# Allegro board com_v1_p3.brd (continued)
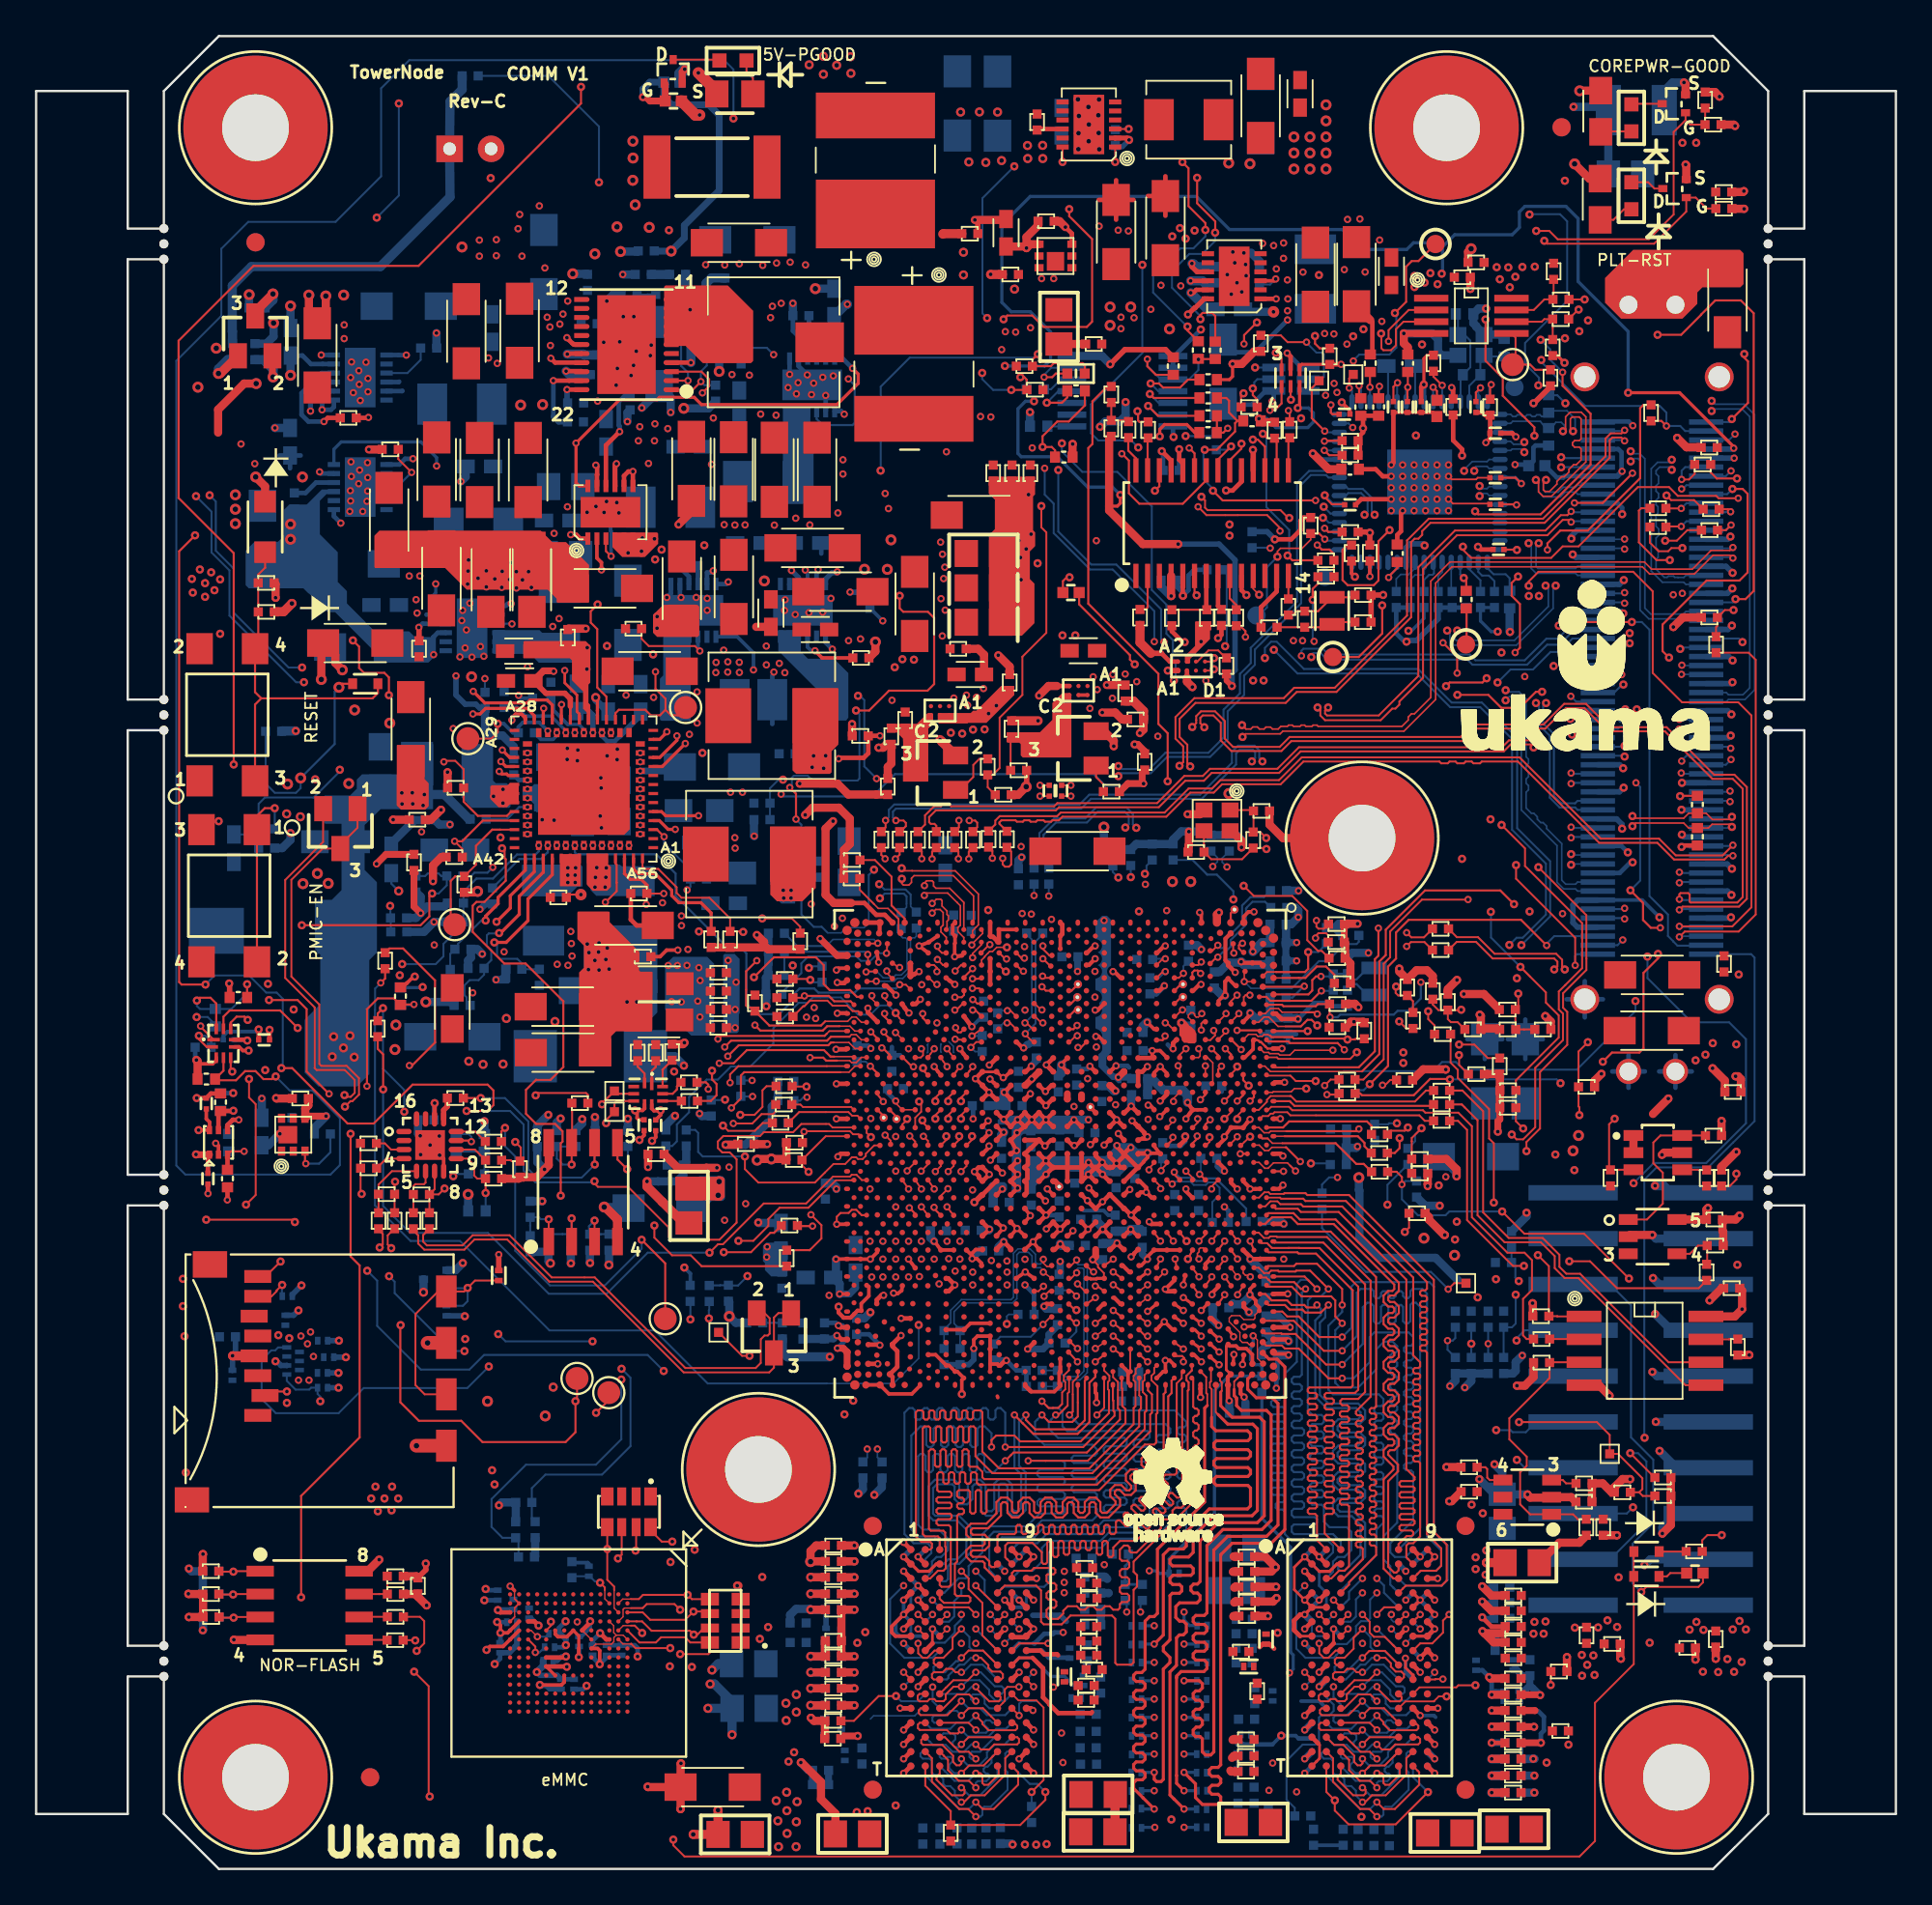
[diagram p0: board, top side]
## Footprints (pads in the part's own frame, mm; a bottom-side part is the same pattern mirrored in y, then rotated) (continued)
  round 0.305 smd: AB4(11.137,-1.448) AB6(10.463,-1.448) AB7(9.752,-1.448) AB9(9.041,-1.448) AB10(8.33,-1.448) AB12(7.619,-1.448) AB13(6.907,-1.448) AB14(6.196,-1.448) AB40(-6.196,-1.448) AB41(-6.907,-1.448) AB42(-7.619,-1.448) AB44(-8.33,-1.448) AB45(-9.041,-1.448) AB47(-9.752,-1.448) AB48(-10.463,-1.448) AB50(-11.137,-1.448) AD4(10.995,-0.463) AD6(10.404,-0.525) AD7(9.752,-0.475) AD9(9.041,-0.475) AD10(8.33,-0.475) AD12(7.619,-0.475) AD13(6.907,-0.475) AD14(6.196,-0.475) AD40(-6.196,-0.475) AD41(-6.907,-0.475) AD42(-7.619,-0.475) AD44(-8.33,-0.475) AD45(-9.041,-0.475) AD47(-9.752,-0.475) AD48(-10.404,-0.525) AD50(-10.995,-0.463) AE6(10.108,0) AE8(9.397,0) AE9(8.685,0) AE11(7.974,0) AE12(7.263,0) AE14(6.552,0) AE40(-6.552,0) AE42(-7.263,0) AE43(-7.974,0) AE45(-8.685,0) AE46(-9.397,0) AE48(-10.108,0) AF4(10.995,0.463) AF6(10.404,0.525) AF7(9.752,0.475) AF9(9.041,0.475) AF10(8.33,0.475) AF12(7.619,0.475) AF13(6.907,0.475) AF14(6.196,0.475) AF40(-6.196,0.475) AF41(-6.907,0.475) AF42(-7.619,0.475) AF44(-8.33,0.475) AF45(-9.041,0.475) AF47(-9.752,0.475) AF48(-10.404,0.525) AF50(-10.995,0.463) AH4(11.137,1.448) AH6(10.463,1.448) AH7(9.752,1.448) AH9(9.041,1.448) AH10(8.33,1.448) AH12(7.619,1.448) AH13(6.907,1.448) AH14(6.196,1.448) AH40(-6.196,1.448) AH41(-6.907,1.448) AH42(-7.619,1.448) AH44(-8.33,1.448) AH45(-9.041,1.448) AH47(-9.752,1.448) AH48(-10.463,1.448) AH50(-11.137,1.448) AK4(11.137,2.439) AK6(10.463,2.439) AK7(9.752,2.439) AK9(9.041,2.439) AK10(8.33,2.439) AK12(7.619,2.439) AK13(6.907,2.439) AK14(6.196,2.439) AK40(-6.196,2.439) AK41(-6.907,2.439) AK42(-7.619,2.439) AK44(-8.33,2.439) AK45(-9.041,2.439) AK47(-9.752,2.439) AK48(-10.463,2.439) AK50(-11.137,2.439) AM4(11.137,3.386) AM6(10.463,3.412) AM7(9.752,3.412) AM9(9.041,3.412) AM10(8.33,3.412) AM12(7.619,3.412) AM13(6.907,3.412) AM14(6.196,3.412) AM40(-6.196,3.412) AM41(-6.907,3.412) AM42(-7.619,3.412) AM44(-8.33,3.412) AM45(-9.041,3.412) AM47(-9.752,3.412) AM48(-10.463,3.412) AM50(-11.137,3.386) AN5(10.819,3.887) AN6(10.108,3.887) AN8(9.397,3.887) AN9(8.685,3.887) AN11(7.974,3.887) AN12(7.263,3.887) AN14(6.552,3.887) AN40(-6.552,3.887) AN42(-7.263,3.887) AN43(-7.974,3.887) AN45(-8.685,3.887) AN46(-9.397,3.887) AN48(-10.108,3.887) AN49(-10.819,3.887) AP4(11.137,4.388) AP6(10.463,4.362) AP7(9.752,4.362) AP9(9.041,4.362) AP10(8.33,4.362) AP12(7.619,4.362) AP13(6.907,4.362) AP14(6.196,4.362) AP40(-6.196,4.362) AP41(-6.907,4.362) AP42(-7.619,4.362) AP44(-8.33,4.362) AP45(-9.041,4.362) AP47(-9.752,4.362) AP48(-10.463,4.362) AP50(-11.137,4.388) AT4(11.137,5.335) AT6(10.463,5.335) AT7(9.752,5.335) AT9(9.041,5.335) AT10(8.33,5.335) AT12(7.619,5.335) AT13(6.907,5.335) AT14(6.305,5.335) AT16(5.335,5.196) AT18(4.362,5.196) AT19(3.887,5.552) AT20(3.412,5.196) AT22(2.439,5.196) AT24(1.448,5.196) AT26(0.475,5.196) AT27(0,5.552) AT28(-0.475,5.196) AT30(-1.448,5.196) AT32(-2.439,5.196) AT34(-3.412,5.196) AT35(-3.887,5.552) AT36(-4.362,5.196) AT38(-5.335,5.196) AT40(-6.305,5.335) AT41(-6.907,5.335) AT42(-7.619,5.335) AT44(-8.33,5.335) AT45(-9.041,5.335) AT47(-9.752,5.335) AT48(-10.463,5.335) AT50(-11.137,5.335) AU16(5.335,5.907) AU18(4.362,5.907) AU20(3.412,5.907) AU22(2.439,5.907) AU24(1.448,5.907) AU26(0.475,5.907) AU28(-0.475,5.907) AU30(-1.448,5.907) AU32(-2.439,5.907) AU34(-3.412,5.907) AU36(-4.362,5.907) AU38(-5.335,5.907) AV4(11.137,6.326) AV6(10.463,6.326) AV7(9.752,6.326) AV9(9.041,6.326) AV10(8.33,6.326) AV12(7.619,6.326) AV13(6.907,6.326) AV14(6.326,6.446) AV16(5.335,6.619) AV18(4.362,6.619) AV19(3.887,6.263) AV20(3.412,6.619) AV22(2.439,6.619) AV24(1.448,6.619) AV26(0.475,6.619) AV27(0,6.263) AV28(-0.475,6.619) AV30(-1.448,6.619) AV32(-2.439,6.619) AV34(-3.412,6.619) AV35(-3.887,6.263) AV36(-4.362,6.619) AV38(-5.335,6.619) AV40(-6.326,6.446) AV41(-6.907,6.326) AV42(-7.619,6.326) AV44(-8.33,6.326) AV45(-9.041,6.326) AV47(-9.752,6.326) AV48(-10.463,6.326) AV50(-11.137,6.326) AW13(6.751,6.915) AW19(3.887,6.974) AW27(0,6.974) AW35(-3.887,6.974) AW41(-6.751,6.915) AY4(11.137,7.317) AY6(10.463,7.317) AY7(9.752,7.317) AY9(9.041,7.317) AY10(8.33,7.317) AY12(7.317,7.34) AY14(6.326,7.33) AY16(5.335,7.33) AY18(4.362,7.33) AY20(3.412,7.33) AY22(2.439,7.33) AY24(1.448,7.33) AY26(0.475,7.33) AY28(-0.475,7.33) AY30(-1.448,7.33) AY32(-2.439,7.33) AY34(-3.412,7.33) AY36(-4.362,7.33) AY38(-5.335,7.33) AY40(-6.326,7.33) AY42(-7.317,7.34) AY44(-8.33,7.317) AY45(-9.041,7.317) AY47(-9.752,7.317) AY48(-10.463,7.317) AY50(-11.137,7.317) B7(9.852,-11.23) B47(-9.852,-11.23) BA12(7.317,8.041) BA14(6.326,8.041) BA16(5.335,8.041) BA18(4.362,8.041) BA19(3.887,7.685) BA20(3.412,8.041) BA22(2.439,8.041) BA24(1.448,8.041) BA26(0.475,8.041) BA27(0,7.685) BA28(-0.475,8.041) BA30(-1.448,8.041) BA32(-2.439,8.041) BA34(-3.412,8.041) BA35(-3.887,7.685) BA36(-4.362,8.041) BA38(-5.335,8.041) BA40(-6.326,8.041) BA42(-7.317,8.041) BB4(11.258,8.307) BB5(10.547,8.307) BB7(9.835,8.307) BB8(9.124,8.307) BB10(8.307,8.17) BB19(3.887,8.397) BB27(0,8.397) BB35(-3.887,8.397) BB44(-8.307,8.17) BB46(-9.124,8.307) BB47(-9.835,8.307) BB49(-10.547,8.307) BB50(-11.258,8.307) BC10(8.307,8.764) BC12(7.317,8.752) BC14(6.326,8.752) BC16(5.335,8.752) BC18(4.362,8.752) BC20(3.412,8.752) BC22(2.439,8.752) BC24(1.448,8.752) BC26(0.475,8.752) BC28(-0.475,8.752) BC30(-1.448,8.752) BC32(-2.439,8.752) BC34(-3.412,8.752) BC36(-4.362,8.752) BC38(-5.335,8.752) BC40(-6.326,8.752) BC42(-7.317,8.752) BC44(-8.307,8.764) BD5(10.565,9.302) BD7(9.712,9.302) BD10(8.307,9.457) BD12(7.317,9.463) BD14(6.326,9.463) BD16(5.335,9.463) BD18(4.362,9.463) BD19(3.887,9.108) BD20(3.412,9.463) BD22(2.439,9.463) BD24(1.448,9.463) BD26(0.525,9.404) BD27(0,9.108) BD28(-0.525,9.404) BD30(-1.448,9.463) BD32(-2.439,9.463) BD34(-3.412,9.463) BD35(-3.887,9.108) BD36(-4.362,9.463) BD38(-5.335,9.463) BD40(-6.326,9.463) BD42(-7.317,9.463) BD44(-8.307,9.457) BD47(-9.712,9.302) BD49(-10.565,9.302) BE3(11.643,9.58) BE8(9.32,9.747) BE19(3.887,9.819) BE35(-3.887,9.819) BE46(-9.32,9.747) BE51(-11.643,9.58) BF4(11.163,10.163) BF6(10.113,10.239) BF10(8.307,10.168) BF12(7.317,10.137) BF14(6.326,10.137) BF16(5.335,10.137) BF18(4.388,10.137) BF20(3.386,10.137) BF22(2.439,10.137) BF24(1.448,10.137) BF26(0.463,9.995) BF28(-0.463,9.995) BF30(-1.448,10.137) BF32(-2.439,10.137) BF34(-3.386,10.137) BF36(-4.388,10.137) BF38(-5.335,10.137) BF40(-6.326,10.137) BF42(-7.317,10.137) BF44(-8.307,10.168) BF48(-10.113,10.239) BF50(-11.163,10.163) BG5(10.58,10.643) BG7(9.553,10.709) BG47(-9.553,10.709) BG49(-10.58,10.643) BH7(9.852,11.23) BH47(-9.852,11.23) C5(10.58,-10.643) C7(9.553,-10.709) C47(-9.553,-10.709) C49(-10.58,-10.643) D4(11.163,-10.163) D6(10.113,-10.239) D10(8.307,-10.168) D12(7.317,-10.137) D14(6.326,-10.137) D16(5.335,-10.137) D18(4.388,-10.137) D20(3.386,-10.137) D22(2.439,-10.137) D24(1.448,-10.137) D26(0.463,-9.995) D28(-0.463,-9.995) D30(-1.448,-10.137) D32(-2.439,-10.137) D34(-3.386,-10.137) D36(-4.388,-10.137) D38(-5.335,-10.137) D40(-6.326,-10.137) D42(-7.317,-10.137) D44(-8.307,-10.168) D48(-10.113,-10.239) D50(-11.163,-10.163) E3(11.643,-9.58) E8(9.32,-9.747) E19(3.887,-9.819) E35(-3.887,-9.819) E46(-9.32,-9.747) E51(-11.643,-9.58) F5(10.565,-9.302) F7(9.712,-9.302) F10(8.307,-9.457) F12(7.317,-9.463) F14(6.326,-9.463) F16(5.335,-9.463) F18(4.362,-9.463) F19(3.887,-9.108) F20(3.412,-9.463) F22(2.439,-9.463) F24(1.448,-9.463) F26(0.525,-9.404) F27(0,-9.108) F28(-0.525,-9.404) F30(-1.448,-9.463) F32(-2.439,-9.463) F34(-3.412,-9.463) F35(-3.887,-9.108) F36(-4.362,-9.463) F38(-5.335,-9.463) F40(-6.326,-9.463) F42(-7.317,-9.463) F44(-8.307,-9.457) F47(-9.712,-9.302) F49(-10.565,-9.302) G10(8.307,-8.764) G12(7.317,-8.752) G14(6.326,-8.752) G16(5.335,-8.752) G18(4.362,-8.752) G20(3.412,-8.752) G22(2.439,-8.752) G24(1.448,-8.752) G26(0.475,-8.752) G28(-0.475,-8.752) G30(-1.448,-8.752) G32(-2.439,-8.752) G34(-3.412,-8.752) G36(-4.362,-8.752) G38(-5.335,-8.752) G40(-6.326,-8.752) G42(-7.317,-8.752) G44(-8.307,-8.764) H4(11.258,-8.307) H5(10.547,-8.307) H7(9.835,-8.307) H8(9.124,-8.307) H10(8.307,-8.17) H19(3.887,-8.397) H27(0,-8.397) H35(-3.887,-8.397) H44(-8.307,-8.17) H46(-9.124,-8.307) H47(-9.835,-8.307) H49(-10.547,-8.307) H50(-11.258,-8.307) J12(7.317,-8.041) J14(6.326,-8.041) J16(5.335,-8.041) J18(4.362,-8.041) J19(3.887,-7.685) J20(3.412,-8.041) J22(2.439,-8.041) J24(1.448,-8.041) J26(0.475,-8.041) J27(0,-7.685) J28(-0.475,-8.041) J30(-1.448,-8.041) J32(-2.439,-8.041) J34(-3.412,-8.041) J35(-3.887,-7.685) J36(-4.362,-8.041) J38(-5.335,-8.041) J40(-6.326,-8.041) J42(-7.317,-8.041) K4(11.137,-7.317) K6(10.463,-7.317) K7(9.752,-7.317) K9(9.041,-7.317) K10(8.33,-7.317) K12(7.317,-7.34) K14(6.326,-7.33) K16(5.335,-7.33) K18(4.362,-7.33) K20(3.412,-7.33) K22(2.439,-7.33) K24(1.448,-7.33) K26(0.475,-7.33) K28(-0.475,-7.33) K30(-1.448,-7.33) K32(-2.439,-7.33) K34(-3.412,-7.33) K36(-4.362,-7.33) K38(-5.335,-7.33) K40(-6.326,-7.33) K42(-7.317,-7.34) K44(-8.33,-7.317) K45(-9.041,-7.317) K47(-9.752,-7.317) K48(-10.463,-7.317) K50(-11.137,-7.317) L13(6.751,-6.915) L19(3.887,-6.974) L27(0,-6.974) L35(-3.887,-6.974) L41(-6.751,-6.915) M4(11.137,-6.326) M6(10.463,-6.326) M7(9.752,-6.326) M9(9.041,-6.326) M10(8.33,-6.326) M12(7.619,-6.326) M13(6.907,-6.326) M14(6.326,-6.446) M16(5.335,-6.619) M18(4.362,-6.619) M19(3.887,-6.263) M20(3.412,-6.619) M22(2.439,-6.619) M24(1.448,-6.619) M26(0.475,-6.619) M27(0,-6.263) M28(-0.475,-6.619) M30(-1.448,-6.619) M32(-2.439,-6.619) M34(-3.412,-6.619) M35(-3.887,-6.263) M36(-4.362,-6.619) M38(-5.335,-6.619) M40(-6.326,-6.446) M41(-6.907,-6.326) M42(-7.619,-6.326) M44(-8.33,-6.326) M45(-9.041,-6.326) M47(-9.752,-6.326) M48(-10.463,-6.326) M50(-11.137,-6.326) N16(5.335,-5.907) N18(4.362,-5.907) N20(3.412,-5.907) N22(2.439,-5.907) N24(1.448,-5.907) N26(0.475,-5.907) N28(-0.475,-5.907) N30(-1.448,-5.907) N32(-2.439,-5.907) N34(-3.412,-5.907) N36(-4.362,-5.907) N38(-5.335,-5.907) P4(11.137,-5.335) P6(10.463,-5.335) P7(9.752,-5.335) P9(9.041,-5.335) P10(8.33,-5.335) P12(7.619,-5.335) P13(6.907,-5.335) P14(6.305,-5.335) P16(5.335,-5.196) P18(4.362,-5.196) P19(3.887,-5.552) P20(3.412,-5.196) P22(2.439,-5.196) P24(1.448,-5.196) P26(0.475,-5.196) P27(0,-5.552) P28(-0.475,-5.196) P30(-1.448,-5.196) P32(-2.439,-5.196) P34(-3.412,-5.196) P35(-3.887,-5.552) P36(-4.362,-5.196) P38(-5.335,-5.196) P40(-6.305,-5.335) P41(-6.907,-5.335) P42(-7.619,-5.335) P44(-8.33,-5.335) P45(-9.041,-5.335) P47(-9.752,-5.335) P48(-10.463,-5.335) P50(-11.137,-5.335) T4(11.137,-4.388) T6(10.463,-4.362) T7(9.752,-4.362) T9(9.041,-4.362) T10(8.33,-4.362) T12(7.619,-4.362) T13(6.907,-4.362) T14(6.196,-4.362) T40(-6.196,-4.362) T41(-6.907,-4.362) T42(-7.619,-4.362) T44(-8.33,-4.362) T45(-9.041,-4.362) T47(-9.752,-4.362) T48(-10.463,-4.362) T50(-11.137,-4.388) U5(10.819,-3.887) U6(10.108,-3.887) U8(9.397,-3.887) U9(8.685,-3.887) U11(7.974,-3.887) U12(7.263,-3.887) U14(6.552,-3.887) U40(-6.552,-3.887) U42(-7.263,-3.887) U43(-7.974,-3.887) U45(-8.685,-3.887) U46(-9.397,-3.887) U48(-10.108,-3.887) U49(-10.819,-3.887) V4(11.137,-3.386) V6(10.463,-3.412) V7(9.752,-3.412) V9(9.041,-3.412) V10(8.33,-3.412) V12(7.619,-3.412) V13(6.907,-3.412) V14(6.196,-3.412) V40(-6.196,-3.412) V41(-6.907,-3.412) V42(-7.619,-3.412) V44(-8.33,-3.412) V45(-9.041,-3.412) V47(-9.752,-3.412) V48(-10.463,-3.412) V50(-11.137,-3.386) Y4(11.137,-2.439) Y6(10.463,-2.439) Y7(9.752,-2.439) Y9(9.041,-2.439) Y10(8.33,-2.439) Y12(7.619,-2.439) Y13(6.907,-2.439) Y14(6.196,-2.439) Y40(-6.196,-2.439) Y41(-6.907,-2.439) Y42(-7.619,-2.439) Y44(-8.33,-2.439) Y45(-9.041,-2.439) Y47(-9.752,-2.439) Y48(-10.463,-2.439) Y50(-11.137,-2.439)
C0201
  rect 0.3x0.3 smd: 1(-0.3,0) 2(0.3,0)
C0402
  rect 0.56x0.63 smd: 1(-0.485,0) 2(0.485,0)
C0805
  rect 1.295x1.499 smd: 1(-0.95,0) 2(0.95,0)
CA_3_20X1_60_0_50MM
  rect 1x0.7 smd: 1(-0.85,1.2) 4(-0.85,-1.2) 5(0.85,-1.2) 8(0.85,1.2)
  rect 1x0.5 smd: 2(-0.85,0.4) 3(-0.85,-0.4) 6(0.85,-0.4) 7(0.85,0.4)
CAP_THR_0P6D
  rect 1.473x1.473 hole 0.711: 1(-1.15,0)
  round 1.473 hole 0.711: 2(1.15,0)
CAPMP7343X190N
  rect 2.4x2.9 smd: 1(-3.05,0) 2(3.05,0)
CC0402
  rect 0.62x0.62 smd: 1(-0.45,0) 2(0.45,0)
CC1210
  rect 1.397x2.794 smd: 1(-1.549,0) 2(1.549,0)
CON_120P_44_00X9_20_13_15MM
  rect 1.9x0.3 smd: 1(-3,14.75) 2(-3,14.25) 3(-3,13.75) 4(-3,13.25) 5(-3,12.75) 6(-3,12.25) 7(-3,11.75) 8(-3,11.25) 9(-3,10.75) 10(-3,10.25) 11(-3,9.75) 12(-3,9.25) 13(-3,8.75) 14(-3,8.25) 15(-3,7.75) 16(-3,7.25) 17(-3,6.75) 18(-3,6.25) 19(-3,5.75) 20(-3,5.25) 21(-3,4.75) 22(-3,4.25) 23(-3,3.75) 24(-3,3.25) 25(-3,2.75) 26(-3,2.25) 27(-3,1.75) 28(-3,1.25) 29(-3,0.75) 30(-3,0.25) 31(-3,-0.25) 32(-3,-0.75) 33(-3,-1.25) 34(-3,-1.75) 35(-3,-2.25) 36(-3,-2.75) 37(-3,-3.25) 38(-3,-3.75) 39(-3,-4.25) 40(-3,-4.75) 41(-3,-5.25) 42(-3,-5.75) 43(-3,-6.25) 44(-3,-6.75) 45(-3,-7.25) 46(-3,-7.75) 47(-3,-8.25) 48(-3,-8.75) 49(-3,-9.25) 50(-3,-9.75) 51(-3,-10.25) 52(-3,-10.75) 53(-3,-11.25) 54(-3,-11.75) 55(-3,-12.25) 56(-3,-12.75) 57(-3,-13.25) 58(-3,-13.75) 59(-3,-14.25) 60(-3,-14.75) 61(3,14.75) 62(3,14.25) 63(3,13.75) 64(3,13.25) 65(3,12.75) 66(3,12.25) 67(3,11.75) 68(3,11.25) 69(3,10.75) 70(3,10.25) 71(3,9.75) 72(3,9.25) 73(3,8.75) 74(3,8.25) 75(3,7.75) 76(3,7.25) 77(3,6.75) 78(3,6.25) 79(3,5.75) 80(3,5.25) 81(3,4.75) 82(3,4.25) 83(3,3.75) 84(3,3.25) 85(3,2.75) 86(3,2.25) 87(3,1.75) 88(3,1.25) 89(3,0.75) 90(3,0.25) 91(3,-0.25) 92(3,-0.75) 93(3,-1.25) 94(3,-1.75) 95(3,-2.25) 96(3,-2.75) 97(3,-3.25) 98(3,-3.75) 99(3,-4.25) 100(3,-4.75) 101(3,-5.25) 102(3,-5.75) 103(3,-6.25) 104(3,-6.75) 105(3,-7.25) 106(3,-7.75) 107(3,-8.25) 108(3,-8.75) 109(3,-9.25) 110(3,-9.75) 111(3,-10.25) 112(3,-10.75) 113(3,-11.25) 114(3,-11.75) 115(3,-12.25) 116(3,-12.75) 117(3,-13.25) 118(3,-13.75) 119(3,-14.25) 120(3,-14.75)
  round 1.4 hole 1: G1(1.3,21.25) G2(1.3,-21.25) G3(-1.3,21.25) G4(-1.3,-21.25)
  round 1.6 hole 1.2: PC1(-3.725,17.25) PC2(-3.725,-17.25) PC3(3.725,17.25) PC4(3.725,-17.25)
CONN_20P_33_02X9_27_10_16MM
  rect 4.95x0.85 smd: 1(-3.745,11.43) 2(3.745,11.43) 3(-3.745,8.89) 4(3.745,8.89) 5(-3.745,6.35) 6(3.745,6.35) 7(-3.745,3.81) 8(3.745,3.81) 9(-3.745,1.27) 10(3.745,1.27) 11(-3.745,-1.27) 12(3.745,-1.27) 13(-3.745,-3.81) 14(3.745,-3.81) 15(-3.745,-6.35) 16(3.745,-6.35) 17(-3.745,-8.89) 18(3.745,-8.89) 19(-3.745,-11.43) 20(3.745,-11.43)
DFN12_4X3_05MM_EP
  rect 0.686x0.279 smd: 1(-1.458,1.25) 2(-1.458,0.75) 3(-1.458,0.25) 4(-1.458,-0.25) 5(-1.458,-0.75) 6(-1.458,-1.25) 7(1.458,-1.25) 8(1.458,-0.75) 9(1.458,-0.25) 10(1.458,0.25) 11(1.458,0.75) 12(1.458,1.25)
  rect 1.702x3.302 smd: 13(0,0)
DFN50P100X150X80-6N
  rect 0.7x0.22 smd: 1(-0.46,0.5) 2(-0.46,0) 3(-0.46,-0.5) 4(0.46,-0.5) 5(0.46,0) 6(0.46,0.5)
DSBGA6N50P2X3_86X136X40
  round 0.24 smd: A1(-0.25,0.5) A2(0.25,0.5) B1(-0.25,0) B2(0.25,0) C1(-0.25,-0.5) C2(0.25,-0.5)
EIA-0402
  rect 0.559x0.559 smd: 1(-0.48,0) 2(0.483,0)
LCC100_2R_8X8_05MM_EP
  custom 5.08x5.08 smd: 101(0,0)
  rect 0.533x0.178 smd: A1(-3.846,3.25) A2(-3.846,2.75) A3(-3.846,2.25) A4(-3.846,1.75) A5(-3.846,1.25) A6(-3.846,0.75) A7(-3.846,0.25) A8(-3.846,-0.25) A9(-3.846,-0.75) A10(-3.846,-1.25) A11(-3.846,-1.75) A12(-3.846,-2.25) A13(-3.846,-2.75) A14(-3.846,-3.25) A29(3.846,-3.25) A30(3.846,-2.75) A31(3.846,-2.25) A32(3.846,-1.75) A33(3.846,-1.25) A34(3.846,-0.75) A35(3.846,-0.25) A36(3.846,0.25) A37(3.846,0.75) A38(3.846,1.25) A39(3.846,1.75) A40(3.846,2.25) A41(3.846,2.75) A42(3.846,3.25)
  rect 0.178x0.533 smd: A15(-3.25,-3.846) A16(-2.75,-3.846) A17(-2.25,-3.846) A18(-1.75,-3.846) A19(-1.25,-3.846) A20(-0.75,-3.846) A21(-0.25,-3.846) A22(0.25,-3.846) A23(0.75,-3.846) A24(1.25,-3.846) A25(1.75,-3.846) A26(2.25,-3.846) A27(2.75,-3.846) A28(3.25,-3.846) A43(3.25,3.846) A44(2.75,3.846) A45(2.25,3.846) A46(1.75,3.846) A47(1.25,3.846) A48(0.75,3.846) A49(0.25,3.846) A50(-0.25,3.846) A51(-0.75,3.846) A52(-1.25,3.846) A53(-1.75,3.846) A54(-2.25,3.846) A55(-2.75,3.846) A56(-3.25,3.846)
  rect 0.508x0.305 smd: B1(-3.125,2.5) B2(-3.125,2) B3(-3.125,1.5) B4(-3.125,1) B5(-3.125,0.5) B6(-3.125,0) B7(-3.125,-0.5) B8(-3.125,-1) B9(-3.125,-1.5) B10(-3.125,-2) B11(-3.125,-2.5) B23(3.125,-2.5) B24(3.125,-2) B25(3.125,-1.5) B26(3.125,-1) B27(3.125,-0.5) B28(3.125,0) B29(3.125,0.5) B30(3.125,1) B31(3.125,1.5) B32(3.125,2) B33(3.125,2.5)
  rect 0.305x0.508 smd: B12(-2.5,-3.125) B13(-2,-3.125) B14(-1.5,-3.125) B15(-1,-3.125) B16(-0.5,-3.125) B17(0,-3.125) B18(0.5,-3.125) B19(1,-3.125) B20(1.5,-3.125) B21(2,-3.125) B22(2.5,-3.125) B34(2.5,3.125) B35(2,3.125) B36(1.5,3.125) B37(1,3.125) B38(0.5,3.125) B39(0,3.125) B40(-0.5,3.125) B41(-1,3.125) B42(-1.5,3.125) B43(-2,3.125) B44(-2.5,3.125)
LED_LTST-C190
  rect 0.787x0.787 smd: A(-0.75,0) K(0.75,0)
MICROFET6_2X2_P65MM_EP
  rect 0.406x0.508 smd: 1(-0.65,-0.91) 2(0,-0.91) 3(0.65,-0.91) 4(0.65,0.91) 5(0,0.91) 6(-0.65,0.91)
  rect 1.041x0.965 smd: 7(-0.3,0)
MICROSD_ATTEND_NEW
  rect 0.711x1.499 smd: 1(8.92,1.15) 2(7.82,1.55) 3(6.72,1.15) 4(5.62,0.95) 5(4.52,1.15) 6(3.42,0.95) 7(2.32,1.15) 8(1.22,1.15)
  rect 1.778x1.143 smd: 9(2.05,11.6) 10(7.75,11.6) 11(4.9,11.6) 12(10.6,11.6)
  rect 1.473x1.905 smd: 13(0.55,-1.5)
  rect 1.397x1.905 smd: 14(13.6,-2.5)
MTG370_800
  round 8 hole 3.7: 1(0,0)
QFN40P185X145X55-10N
  rect 0.7x0.2 smd: 1(-0.55,0.2)
  rect 0.6x0.2 smd: 2(-0.6,-0.2) 6(0.6,-0.2) 7(0.6,0.2)
  rect 0.2x0.6 smd: 3(-0.4,-0.8) 4(0,-0.8) 5(0.4,-0.8) 8(0.4,0.8) 9(0,0.8) 10(-0.4,0.8)
QFN50P300X300X100-17N
  oval 0.85x0.3 smd: 1(-1.45,0.75) 2(-1.45,0.25) 3(-1.45,-0.25) 4(-1.45,-0.75) 9(1.45,-0.75) 10(1.45,-0.25) 11(1.45,0.25) 12(1.45,0.75)
  oval 0.3x0.85 smd: 5(-0.75,-1.45) 6(-0.25,-1.45) 7(0.25,-1.45) 8(0.75,-1.45) 13(0.75,1.45) 14(0.25,1.45) 15(-0.25,1.45) 16(-0.75,1.45)
  rect 1.65x1.65 smd: 17(0,0)
QFN50P900X900X100-65N_INTL
  round 1 smd: (-5.26,-5.26) (5.26,5.26)
  oval 0.851x0.3 smd: 1(-4.45,3.749) 2(-4.45,3.251) 3(-4.45,2.751) 4(-4.45,2.25) 5(-4.45,1.75) 6(-4.45,1.25) 7(-4.45,0.749) 8(-4.45,0.249) 9(-4.45,-0.249) 10(-4.45,-0.749) 11(-4.45,-1.25) 12(-4.45,-1.75) 13(-4.45,-2.25) 14(-4.45,-2.751) 15(-4.45,-3.251) 16(-4.45,-3.749) 33(4.45,-3.749) 34(4.45,-3.251) 35(4.45,-2.751) 36(4.45,-2.25) 37(4.45,-1.75) 38(4.45,-1.25) 39(4.45,-0.749) 40(4.45,-0.249) 41(4.45,0.249) 42(4.45,0.749) 43(4.45,1.25) 44(4.45,1.75) 45(4.45,2.25) 46(4.45,2.751) 47(4.45,3.251) 48(4.45,3.749)
  oval 0.3x0.851 smd: 17(-3.749,-4.45) 18(-3.251,-4.45) 19(-2.751,-4.45) 20(-2.25,-4.45) 21(-1.75,-4.45) 22(-1.25,-4.45) 23(-0.749,-4.45) 24(-0.249,-4.45) 25(0.249,-4.45) 26(0.749,-4.45) 27(1.25,-4.45) 28(1.75,-4.45) 29(2.25,-4.45) 30(2.751,-4.45) 31(3.251,-4.45) 32(3.749,-4.45) 49(3.749,4.45) 50(3.251,4.45) 51(2.751,4.45) 52(2.25,4.45) 53(1.75,4.45) 54(1.25,4.45) 55(0.749,4.45) 56(0.249,4.45) 57(-0.249,4.45) 58(-0.749,4.45) 59(-1.25,4.45) 60(-1.75,4.45) 61(-2.25,4.45) 62(-2.751,4.45) 63(-3.251,4.45) 64(-3.749,4.45)
  rect 3.599x3.599 smd: 65(0,0)
R0402
  rect 0.56x0.63 smd: 1(-0.485,0) 2(0.485,0)
RC0402
  rect 0.62x0.62 smd: 1(-0.45,0) 2(0.45,0)
RC0805
  rect 1.295x1.499 smd: 1(-1,0) 2(1,0)
RC2512
  rect 1.499x3.505 smd: 1(-3.05,0) 2(3.05,0)
SC70_6P
  rect 1.27x0.432 smd: 1(-0.953,0.648) 2(-0.953,0) 3(-0.953,-0.648) 4(0.953,-0.648) 5(0.953,0) 6(0.953,0.648)
SM_2_CAP-RES_0201_20H
  rect 0.305x0.432 smd: 1(-0.277,0) 2(0.277,0)
SMC0402A
  rect 0.508x0.508 smd: 1(0,0) 2(0,-0.889)
SMC0603
  rect 0.762x1.016 smd: 1(0,0) 2(0,-1.524)
SMC0805
  rect 1.27x1.524 smd: 1(0,0) 2(0,-2.286)
SMC1206
  rect 1.524x1.778 smd: 1(0,0) 2(0,-3.556)
SMC7260_80TALL
  rect 6.604x3.81 smd: 1(0,0)
  rect 6.604x2.54 smd: 2(0,-5.461)
SMC7343_75TALL
  rect 2.54x3.048 smd: 1(0,3.556) 2(0,-3.556)
SMI16_16AB
  rect 1.651x2.286 smd: 1(-1.65,0) 2(1.65,0)
SMI29_28
  rect 2.692x2.21 smd: 1(-2.55,0) 2(2.55,0)
SML28_28
  rect 2.54x3.048 smd: 1(-2.413,0) 2(2.413,0)
SMR0402A
  rect 0.508x0.508 smd: 1(0,0) 2(0,-0.889)
SMY_FA128
  rect 0.94x0.838 smd: 1(-0.725,-0.575) 2(0.725,-0.575) 3(0.725,0.575) 4(-0.725,0.575)
SN74AVC1T45DRLR
  rect 0.3x0.46 smd: 1(-0.5,-0.681) 2(0,-0.681) 3(0.5,-0.681) 4(0.5,0.681) 5(0,0.681) 6(-0.5,0.681)
SODFL1608X65N_AEE
  rect 0.5x0.6 smd: A(0.7,0) K(-0.7,0)
SODFL3517X110N_NXP_AEE
  rect 1.2x1.2 smd: A(1.4,0) K(-1.4,0)
SOI8_50IN_213X210
  rect 1.93x0.635 smd: 1(-3.378,1.905) 2(-3.378,0.635) 3(-3.378,-0.635) 4(-3.378,-1.905) 5(3.378,-1.905) 6(3.378,-0.635) 7(3.378,0.635) 8(3.378,1.905)
SOIC127P600X175-8N_ON-SEMI
  rect 1.52x0.6 smd: 1(-2.74,1.905) 2(-2.74,0.635) 3(-2.74,-0.635) 4(-2.74,-1.905) 5(2.74,-1.905) 6(2.74,-0.635) 7(2.74,0.635) 8(2.74,1.905)
SON50P500X600X150-23N
  custom 0.849x0.279 smd: 1(-2.475,2.5) 2(-2.475,2) 3(-2.475,1.5) 4(-2.475,1) 5(-2.475,0.5) 6(-2.475,0) 7(-2.475,-0.5) 8(-2.475,-1) 9(-2.475,-1.5) 10(-2.475,-2) 11(-2.475,-2.5) 12(2.475,-2.5) 13(2.475,-2) 14(2.475,-1.5) 15(2.475,-1) 16(2.475,-0.5) 17(2.475,0) 18(2.475,0.5) 19(2.475,1) 20(2.475,1.5) 21(2.475,2) 22(2.475,2.5)
  rect 3.24x5.48 smd: 23(0,0)
SOT23
  rect 0.991x1.397 smd: 1(-0.953,-1.105) 2(0.953,-1.105) 3(0,1.105)
SOT23_6P_1_75X3_05_1_45MM
  rect 1.1x0.6 smd: 1(-1.35,0.95) 2(-1.35,0) 3(-1.35,-0.95) 4(1.35,-0.95) 5(1.35,0) 6(1.35,0.95)
SOT95P280X145-6N
  rect 1.05x0.6 smd: 1(-1.35,0.95) 2(-1.35,0) 3(-1.35,-0.95) 4(1.35,-0.95) 5(1.35,0) 6(1.35,0.95)
SOT523_3P_1_70X0_85_0_90MM
  rect 0.4x0.51 smd: D(0,0.65) G(-0.5,-0.65) S(0.5,-0.65)
SOT-23_5P_1_70X3_00_1_45MM
  rect 1.05x0.6 smd: 1(-1.35,0.95) 2(-1.35,0) 3(-1.35,-0.95) 4(1.35,-0.95) 5(1.35,0.95)
SOT_7P_2_20X1_20_0_5MM
  rect 0.5x0.25 smd: 1(-0.35,0.75) 2(-0.35,0.25) 3(-0.35,-0.25) 4(-0.35,-0.75) 5(0.35,-0.5) 6(0.35,0) 7(0.35,0.5)
SOT_P3_1_70X0_85_0_90MM
  rect 0.4x0.51 smd: 1(-0.5,-0.65) 2(0.5,-0.65) 3(0,0.65)
SSOP8_65MM_3W
  rect 1.905x0.381 smd: 1(0,0) 2(0,-0.65) 3(0,-1.301) 4(0,-1.951) 5(4.445,-1.951) 6(4.445,-1.301) 7(4.445,-0.65) 8(4.445,0)
SW-TLS3305
  rect 1.727x1.473 smd: 1(3.664,-1.537) 2(-3.664,-1.537) 3(3.664,1.537) 4(-3.664,1.537)
TEST_PAD_S20
  rect 0.508x0.508 smd: 1(0,0)
TP_40C
  round 1.016 smd: 1(0,0)
TP_50
  round 1.27 smd: 1(0,0)
TSSOP65P640X110-28N_A
  rect 1.35x0.29 smd: 1(-2.925,4.225) 2(-2.925,3.575) 3(-2.925,2.925) 4(-2.925,2.275) 5(-2.925,1.625) 6(-2.925,0.975) 7(-2.925,0.325) 8(-2.925,-0.325) 9(-2.925,-0.975) 10(-2.925,-1.625) 11(-2.925,-2.275) 12(-2.925,-2.925) 13(-2.925,-3.575) 14(-2.925,-4.225) 15(2.925,-4.225) 16(2.925,-3.575) 17(2.925,-2.925) 18(2.925,-2.275) 19(2.925,-1.625) 20(2.925,-0.975) 21(2.925,-0.325) 22(2.925,0.325) 23(2.925,0.975) 24(2.925,1.625) 25(2.925,2.275) 26(2.925,2.925) 27(2.925,3.575) 28(2.925,4.225)
TSSOP65PX640X120X14N
  rect 1.6x0.35 smd: 1(-2.8,1.95) 2(-2.8,1.3) 3(-2.8,0.65) 4(-2.8,0) 5(-2.8,-0.65) 6(-2.8,-1.3) 7(-2.8,-1.95) 8(2.8,-1.95) 9(2.8,-1.3) 10(2.8,-0.65) 11(2.8,0) 12(2.8,0.65) 13(2.8,1.3) 14(2.8,1.95)
unnamed
  round 0.5 hole 0.5 unplated: (0,0)
unnamed#2
  round 1 smd: (0,0)
unnamed#3
  round 1.016 smd: 1(0,0)
VIA_18-8-26_SMB_T-POINT
  round 0.457 hole 0.203: 1(0,0)
WFBGA_EMMC153
  round 0.24 smd: A1(-3.25,3.25) A2(-2.75,3.25) A3(-2.25,3.25) A4(-1.75,3.25) A5(-1.25,3.25) A6(-0.75,3.25) A7(-0.25,3.25) A8(0.25,3.25) A9(0.75,3.25) A10(1.25,3.25) A11(1.75,3.25) A12(2.25,3.25) A13(2.75,3.25) A14(3.25,3.25) B1(-3.25,2.75) B2(-2.75,2.75) B3(-2.25,2.75) B4(-1.75,2.75) B5(-1.25,2.75) B6(-0.75,2.75) B7(-0.25,2.75) B8(0.25,2.75) B9(0.75,2.75) B10(1.25,2.75) B11(1.75,2.75) B12(2.25,2.75) B13(2.75,2.75) B14(3.25,2.75) C1(-3.25,2.25) C2(-2.75,2.25) C3(-2.25,2.25) C4(-1.75,2.25) C5(-1.25,2.25) C6(-0.75,2.25) C7(-0.25,2.25) C8(0.25,2.25) C9(0.75,2.25) C10(1.25,2.25) C11(1.75,2.25) C12(2.25,2.25) C13(2.75,2.25) C14(3.25,2.25) D1(-3.25,1.75) D2(-2.75,1.75) D3(-2.25,1.75) D4(-1.75,1.75) D12(2.25,1.75) D13(2.75,1.75) D14(3.25,1.75) E1(-3.25,1.25) E2(-2.75,1.25) E3(-2.25,1.25) E5(-1.25,1.25) E6(-0.75,1.25) E7(-0.25,1.25) E8(0.25,1.25) E9(0.75,1.25) E10(1.25,1.25) E12(2.25,1.25) E13(2.75,1.25) E14(3.25,1.25) F1(-3.25,0.75) F2(-2.75,0.75) F3(-2.25,0.75) F5(-1.25,0.75) F10(1.25,0.75) F12(2.25,0.75) F13(2.75,0.75) F14(3.25,0.75) G1(-3.25,0.25) G2(-2.75,0.25) G3(-2.25,0.25) G5(-1.25,0.25) G10(1.25,0.25) G12(2.25,0.25) G13(2.75,0.25) G14(3.25,0.25) H1(-3.25,-0.25) H2(-2.75,-0.25) H3(-2.25,-0.25) H5(-1.25,-0.25) H10(1.25,-0.25) H12(2.25,-0.25) H13(2.75,-0.25) H14(3.25,-0.25) J1(-3.25,-0.75) J2(-2.75,-0.75) J3(-2.25,-0.75) J5(-1.25,-0.75) J10(1.25,-0.75) J12(2.25,-0.75) J13(2.75,-0.75) J14(3.25,-0.75) K1(-3.25,-1.25) K2(-2.75,-1.25) K3(-2.25,-1.25) K5(-1.25,-1.25) K6(-0.75,-1.25) K7(-0.25,-1.25) K8(0.25,-1.25) K9(0.75,-1.25) K10(1.25,-1.25) K12(2.25,-1.25) K13(2.75,-1.25) K14(3.25,-1.25) L1(-3.25,-1.75) L2(-2.75,-1.75) L3(-2.25,-1.75) L12(2.25,-1.75) L13(2.75,-1.75) L14(3.25,-1.75) M1(-3.25,-2.25) M2(-2.75,-2.25) M3(-2.25,-2.25) M4(-1.75,-2.25) M5(-1.25,-2.25) M6(-0.75,-2.25) M7(-0.25,-2.25) M8(0.25,-2.25) M9(0.75,-2.25) M10(1.25,-2.25) M11(1.75,-2.25) M12(2.25,-2.25) M13(2.75,-2.25) M14(3.25,-2.25) N1(-3.25,-2.75) N2(-2.75,-2.75) N3(-2.25,-2.75) N4(-1.75,-2.75) N5(-1.25,-2.75) N6(-0.75,-2.75) N7(-0.25,-2.75) N8(0.25,-2.75) N9(0.75,-2.75) N10(1.25,-2.75) N11(1.75,-2.75) N12(2.25,-2.75) N13(2.75,-2.75) N14(3.25,-2.75) P1(-3.25,-3.25) P2(-2.75,-3.25) P3(-2.25,-3.25) P4(-1.75,-3.25) P5(-1.25,-3.25) P6(-0.75,-3.25) P7(-0.25,-3.25) P8(0.25,-3.25) P9(0.75,-3.25) P10(1.25,-3.25) P11(1.75,-3.25) P12(2.25,-3.25) P13(2.75,-3.25) P14(3.25,-3.25)
XTAL205X120X60N
  rect 0.7x1.4 smd: 1(-0.75,0) 2(0.75,0)

## Nets
D0VREFCA1: R421.1 R422.2 R423.2 R424.1 U27.M8(VREFCA)
D0VREFCA3: R296.1 R297.2 R298.2 R299.1 U24.M8(VREFCA)
D0VREFDQ1: R346.1 R350.2 R351.1 R352.2 U27.H1(VREFDQ)
D0VREFDQ3: R267.1 R268.2 R269.2 R270.1 U24.H1(VREFDQ)
D1VREFCA1: R542.1 R546.1 R547.2 R548.2 U30.M8(VREFCA)
D1VREFCA3: R639.1 R640.1 R641.2 R642.2 U37.M8(VREFCA)
D1VREFDQ1: R476.1 R480.2 R481.2 R482.1 U30.H1(VREFDQ)
D1VREFDQ3: R614.1 R615.2 R616.2 R617.1 U37.H1(VREFDQ)
